# KiCad board keanu-homeboy-panel.kicad_pcb
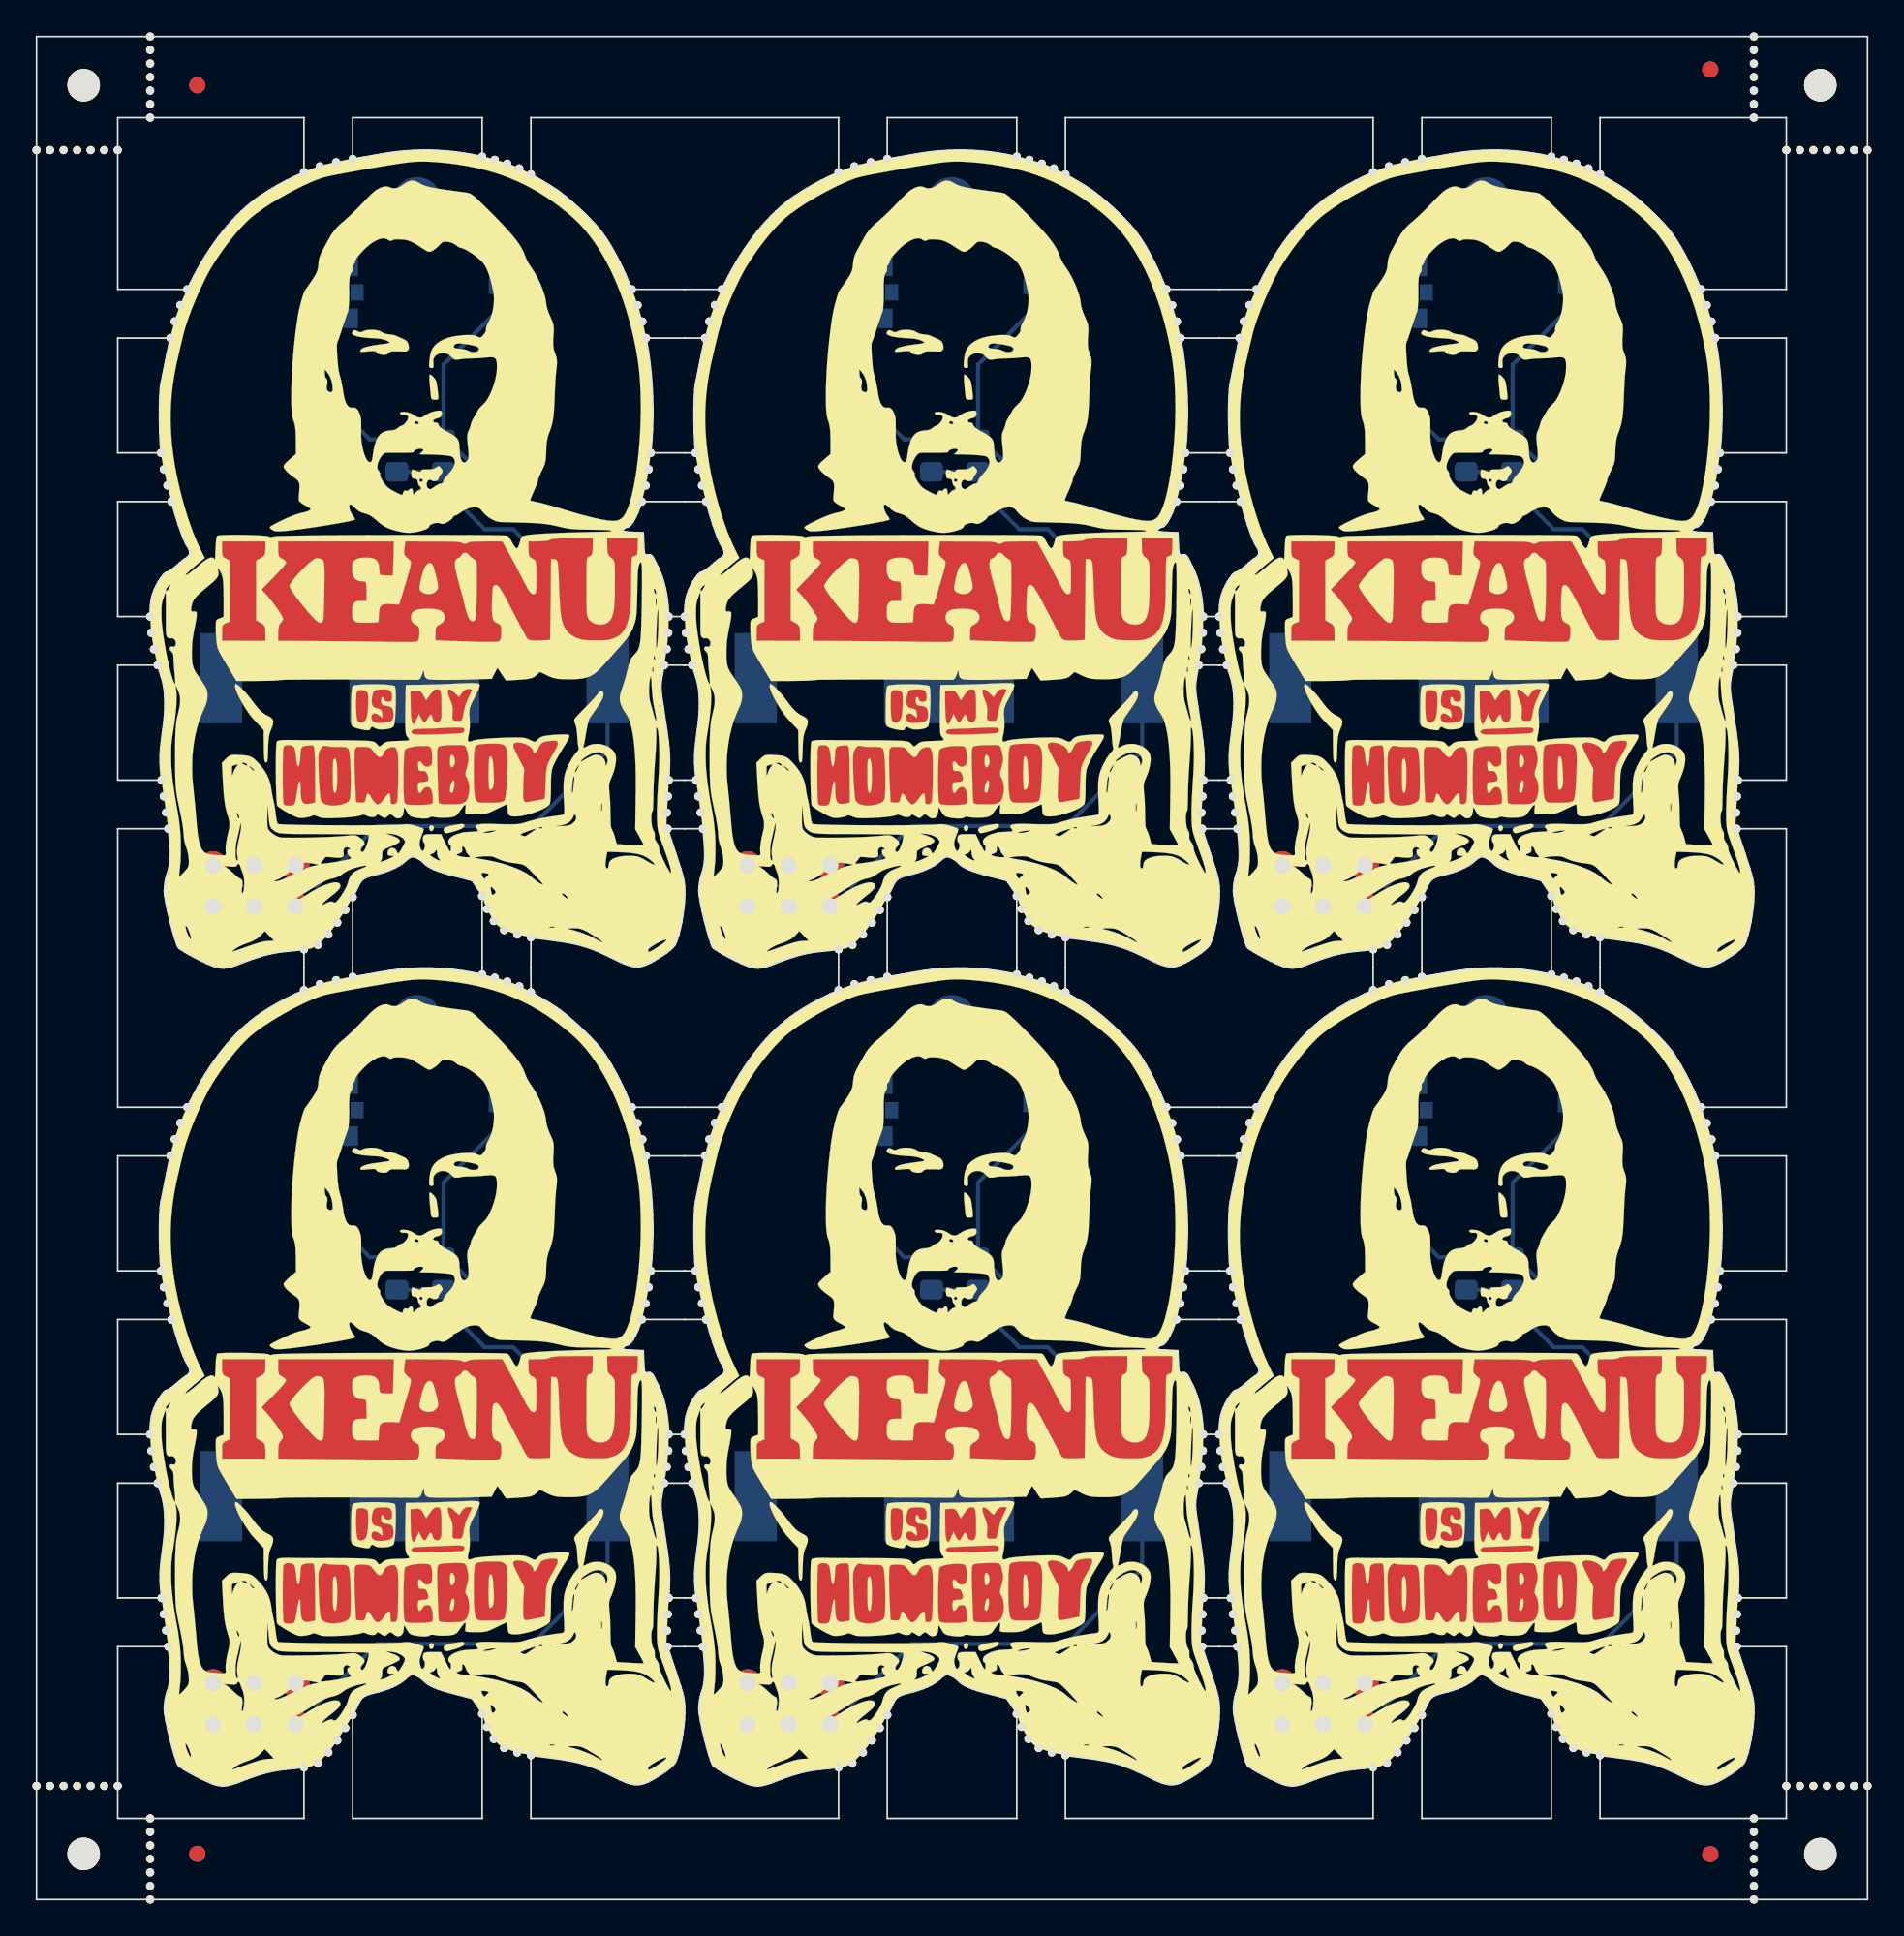
[diagram p0: board, top side]
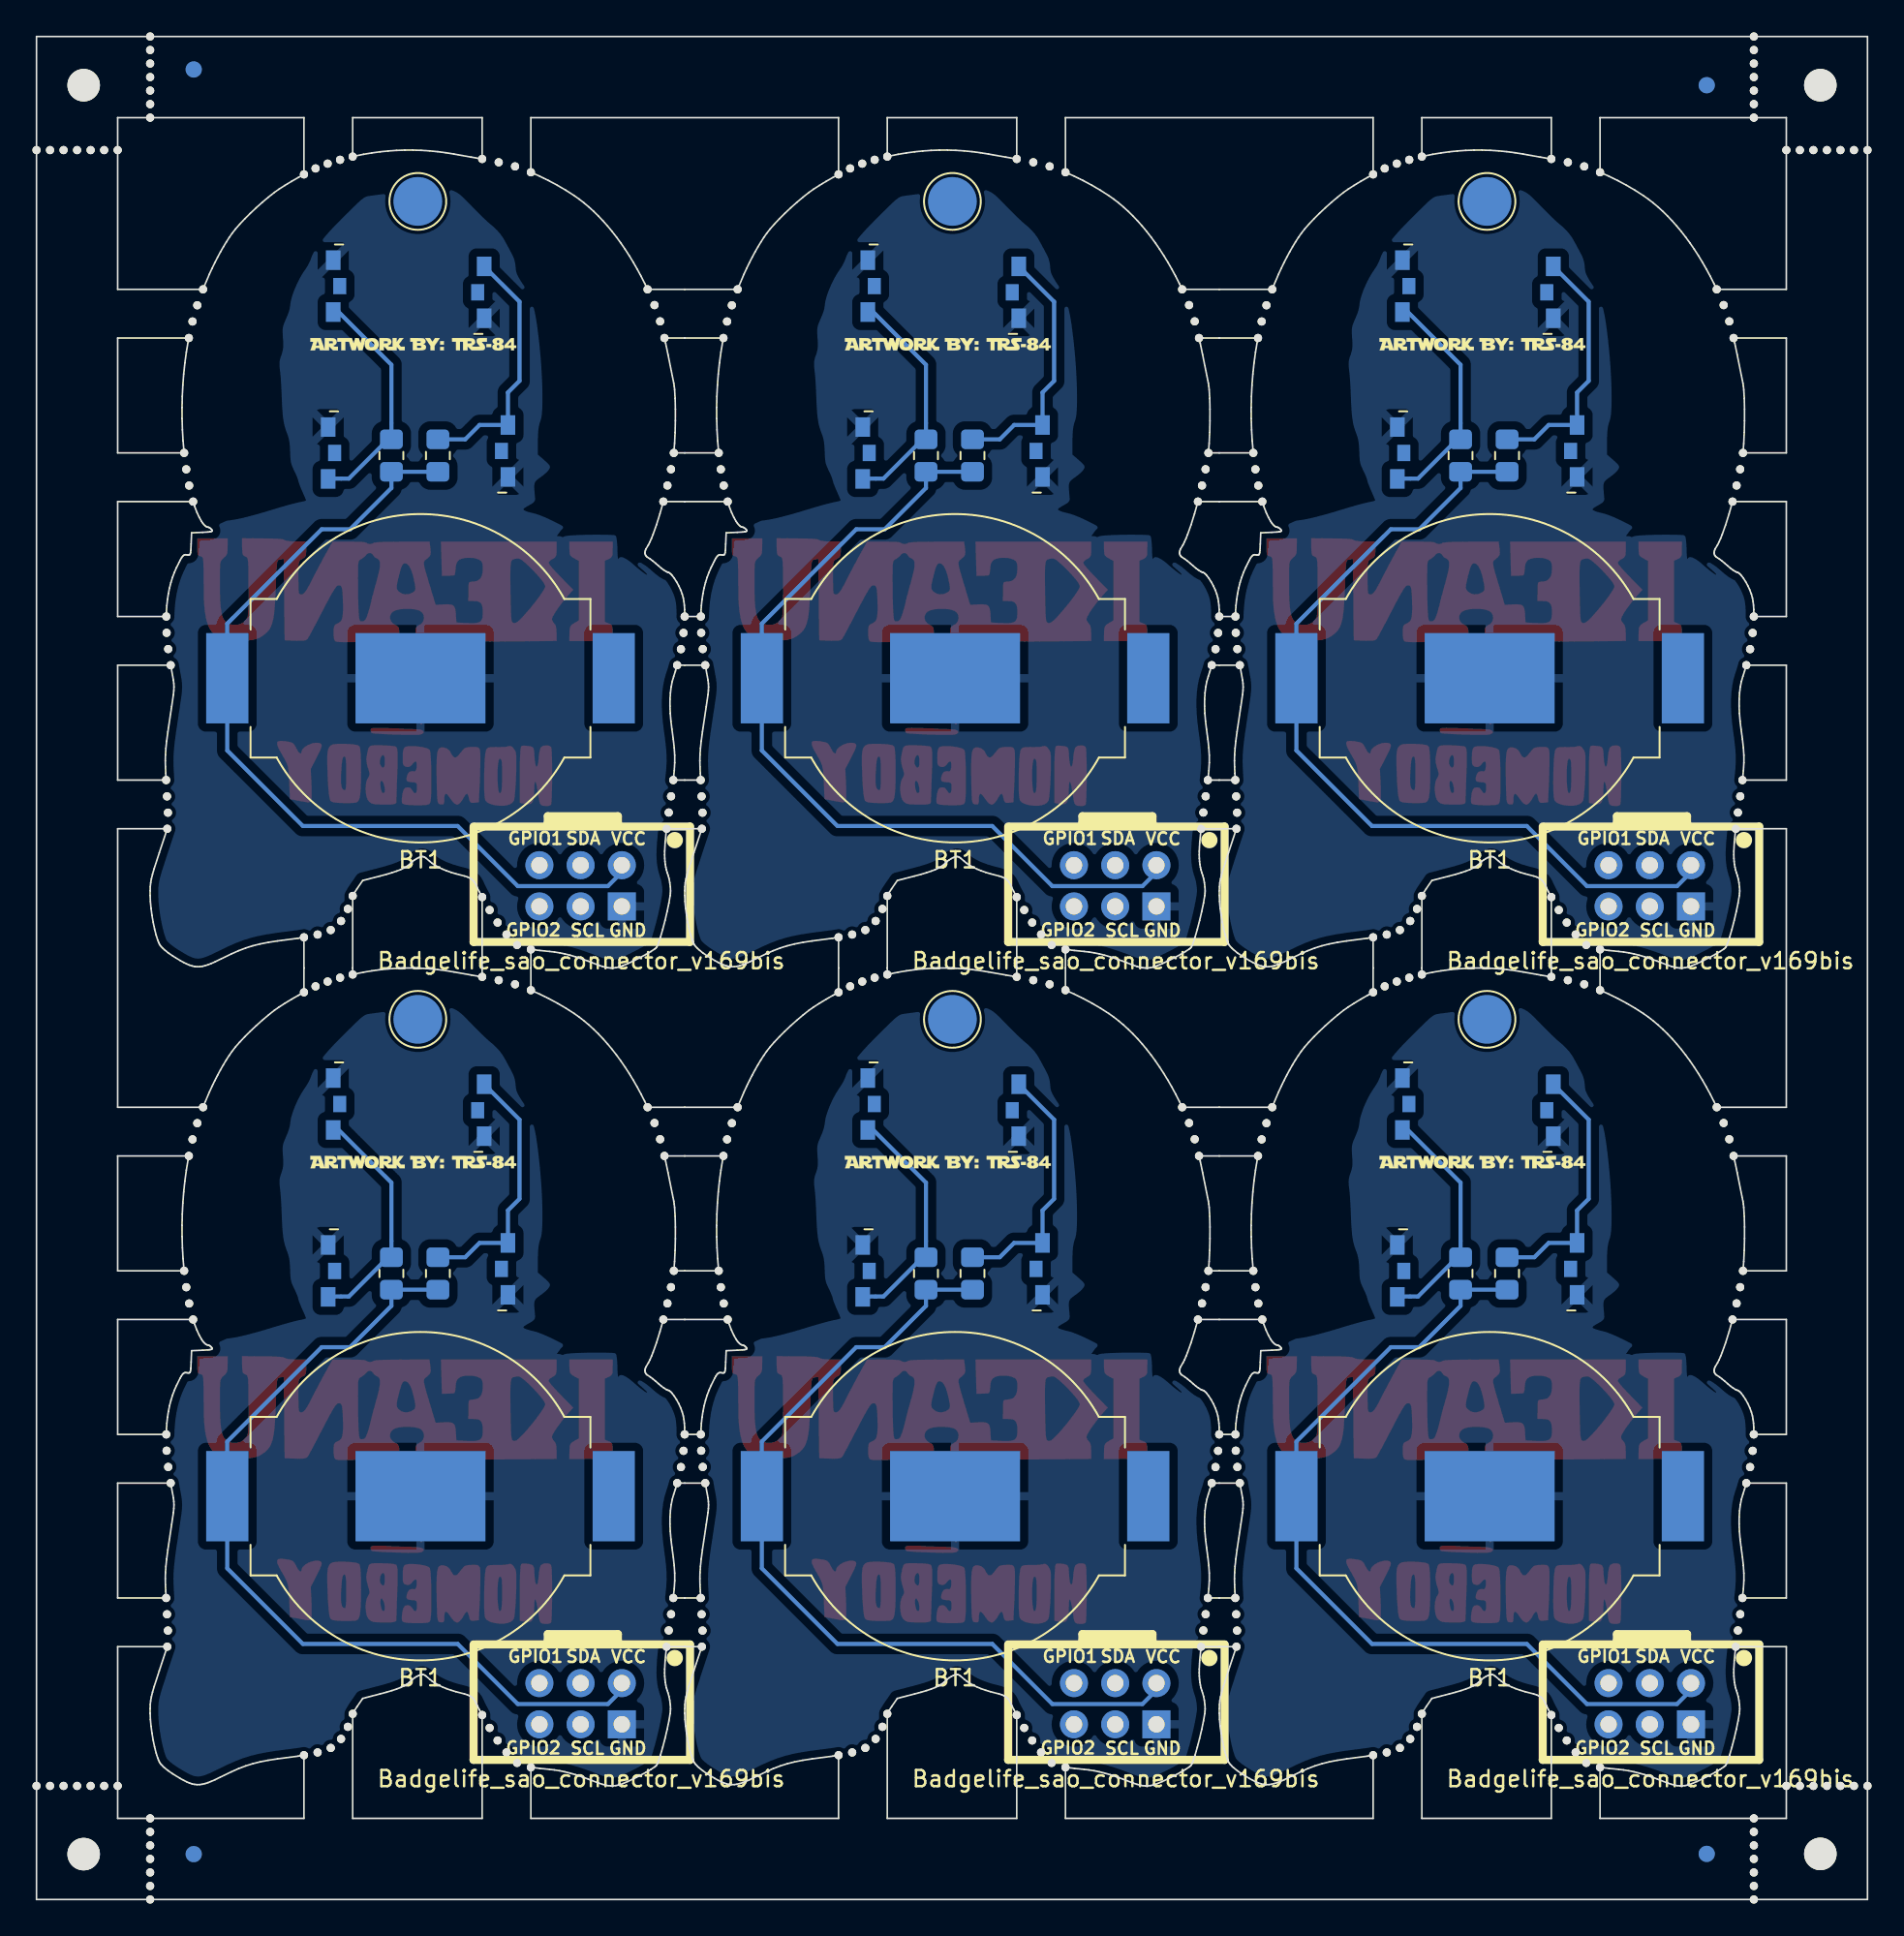
[diagram p1: board, bottom side, seen from below]

Outline 112.81 x 114.81 mm; copper layers: Top, Bottom. Coordinates in mm from the lower left corner of the outline.
Stack: Top 0.035mm / dielectric 1.51mm FR4 er 4.5 / Bottom 0.035mm

## Placement (name value [footprint] x y rotation side)
BT1  Battery_Cell  [BatteryHolder_MPD_BC2003_1x2032]  23.28 24.86 0 bottom
BT1#2  Battery_Cell  [BatteryHolder_MPD_BC2003_1x2032]  56.22 75.26 0 bottom
BT1#3  Battery_Cell  [BatteryHolder_MPD_BC2003_1x2032]  23.28 75.26 0 bottom
BT1#4  Battery_Cell  [BatteryHolder_MPD_BC2003_1x2032]  56.22 24.86 0 bottom
BT1#5  Battery_Cell  [BatteryHolder_MPD_BC2003_1x2032]  89.15 24.86 0 bottom
BT1#6  Battery_Cell  [BatteryHolder_MPD_BC2003_1x2032]  89.15 75.26 0 bottom
D1  LED  [QBLP615]  80.76 38.86 270 bottom
D1#2  LED  [QBLP615]  47.83 89.27 270 bottom
D1#3  LED  [QBLP615]  14.89 38.86 270 bottom
D1#4  LED  [QBLP615]  80.76 89.27 270 bottom
D1#5  LED  [QBLP615]  47.83 38.86 270 bottom
D1#6  LED  [QBLP615]  14.89 89.27 270 bottom
D2  LED  [QBLP615]  49.29 48.64 270 bottom
D2#2  LED  [QBLP615]  16.36 99.04 270 bottom
D2#3  LED  [QBLP615]  82.23 99.04 270 bottom
D2#4  LED  [QBLP615]  49.29 99.04 270 bottom
D2#5  LED  [QBLP615]  82.23 48.64 270 bottom
D2#6  LED  [QBLP615]  16.36 48.64 270 bottom
D3  LED  [QBLP615]  97.53 99.43 90 bottom
D3#2  LED  [QBLP615]  31.66 49.02 90 bottom
D3#3  LED  [QBLP615]  97.53 49.02 90 bottom
D3#4  LED  [QBLP615]  64.59 99.43 90 bottom
D3#5  LED  [QBLP615]  64.59 49.02 90 bottom
D3#6  LED  [QBLP615]  31.66 99.43 90 bottom
D4  LED  [QBLP615]  31.97 38.74 90 bottom
D4#2  LED  [QBLP615]  97.84 38.74 90 bottom
D4#3  LED  [QBLP615]  97.84 89.14 90 bottom
D4#4  LED  [QBLP615]  64.91 38.74 90 bottom
D4#5  LED  [QBLP615]  31.97 89.14 90 bottom
D4#6  LED  [QBLP615]  64.91 89.14 90 bottom
G***  -  [LOGO]  28.1 27.18 0 top
G***#2  -  [LOGO]  93.97 77.58 0 top
G***#3  -  [LOGO]  28.1 77.58 0 top
G***#4  -  [LOGO]  61.04 27.18 0 top
G***#5  -  [LOGO]  61.04 77.58 0 top
G***#6  -  [LOGO]  93.97 77.58 0 top
G***#7  -  [LOGO]  93.97 27.18 0 top
G***#8  -  [LOGO]  28.1 27.18 0 top
G***#9  -  [LOGO]  61.04 27.18 0 top
G***#10  -  [LOGO]  93.97 77.58 0 top
G***#11  -  [LOGO]  93.97 27.18 0 top
G***#12  -  [LOGO]  93.97 27.18 0 top
G***#13  -  [LOGO]  28.1 27.18 0 top
G***#14  -  [LOGO]  28.1 77.58 0 top
G***#15  -  [LOGO]  28.1 77.58 0 top
G***#16  -  [LOGO]  61.04 27.18 0 top
G***#17  -  [LOGO]  61.04 77.58 0 top
G***#18  -  [LOGO]  28.1 77.58 0 top
G***#19  -  [LOGO]  93.97 77.58 0 top
G***#20  -  [LOGO]  93.97 27.18 0 top
G***#21  -  [LOGO]  61.04 27.18 0 top
G***#22  -  [LOGO]  93.97 27.18 0 top
G***#23  -  [LOGO]  93.97 77.58 0 top
G***#24  -  [LOGO]  61.04 77.58 0 top
G***#25  -  [LOGO]  28.1 77.58 0 top
G***#26  -  [LOGO]  61.04 27.18 0 top
G***#27  -  [LOGO]  61.04 77.58 0 top
G***#28  -  [LOGO]  28.1 27.18 0 top
G***#29  -  [LOGO]  93.97 77.58 0 top
G***#30  -  [LOGO]  61.04 77.58 0 top
G***#31  -  [LOGO]  61.04 77.58 0 top
G***#32  -  [LOGO]  28.1 77.58 0 top
G***#33  -  [LOGO]  61.04 27.18 0 top
G***#34  -  [LOGO]  28.1 27.18 0 top
G***#35  -  [LOGO]  28.1 27.18 0 top
G***#36  -  [LOGO]  93.97 27.18 0 top
KiKit_FID_B_1  -  [Fiducial]  9.9 111.81 0 bottom
KiKit_FID_B_2  -  [Fiducial]  103.12 112.78 0 bottom
KiKit_FID_B_3  -  [Fiducial]  9.9 2.81 0 bottom
KiKit_FID_B_4  -  [Fiducial]  103.12 2.8 0 bottom
KiKit_FID_T_1  -  [Fiducial]  9.9 111.81 0 top
KiKit_FID_T_2  -  [Fiducial]  103.12 112.78 0 top
KiKit_FID_T_3  -  [Fiducial]  9.9 2.81 0 top
KiKit_FID_T_4  -  [Fiducial]  103.12 2.8 0 top
KiKit_MB_1_1  -  [NPTH]  8.25 96.23 0 top
KiKit_MB_1_2  -  [NPTH]  8.52 97.26 0 top
KiKit_MB_1_3  -  [NPTH]  8.86 98.26 0 top
KiKit_MB_1_4  -  [NPTH]  9.29 99.23 0 top
KiKit_MB_2_1  -  [NPTH]  8.32 86.15 0 top
KiKit_MB_2_2  -  [NPTH]  8.07 87.14 0 top
KiKit_MB_2_3  -  [NPTH]  7.84 88.14 0 top
KiKit_MB_2_4  -  [NPTH]  7.67 89.15 0 top
KiKit_MB_3_1  -  [NPTH]  7.47 76.07 0 top
KiKit_MB_3_2  -  [NPTH]  7.23 77.05 0 top
KiKit_MB_3_3  -  [NPTH]  7.07 78.06 0 top
KiKit_MB_3_4  -  [NPTH]  7 79.07 0 top
KiKit_MB_4_1  -  [NPTH]  8.12 65.99 0 top
KiKit_MB_4_2  -  [NPTH]  7.98 66.99 0 top
KiKit_MB_4_3  -  [NPTH]  7.84 67.99 0 top
KiKit_MB_4_4  -  [NPTH]  7.7 68.99 0 top
KiKit_MB_5_1  -  [NPTH]  36.68 99.23 0 top
KiKit_MB_5_2  -  [NPTH]  37.03 98.25 0 top
KiKit_MB_5_3  -  [NPTH]  37.33 97.25 0 top
KiKit_MB_5_4  -  [NPTH]  37.55 96.23 0 top
KiKit_MB_6_1  -  [NPTH]  37.84 89.15 0 top
KiKit_MB_6_2  -  [NPTH]  37.71 88.14 0 top
KiKit_MB_6_3  -  [NPTH]  37.53 87.14 0 top
KiKit_MB_6_4  -  [NPTH]  37.29 86.15 0 top
KiKit_MB_7_1  -  [NPTH]  38.94 79.07 0 top
KiKit_MB_7_2  -  [NPTH]  38.92 78.06 0 top
KiKit_MB_7_3  -  [NPTH]  38.82 77.06 0 top
KiKit_MB_7_4  -  [NPTH]  38.67 76.07 0 top
KiKit_MB_8_1  -  [NPTH]  38.95 68.99 0 top
KiKit_MB_8_2  -  [NPTH]  38.9 67.98 0 top
KiKit_MB_8_3  -  [NPTH]  38.84 66.98 0 top
KiKit_MB_8_4  -  [NPTH]  38.88 65.99 0 top
KiKit_MB_9_1  -  [NPTH]  16.48 106.44 0 top
KiKit_MB_9_2  -  [NPTH]  17.45 106.81 0 top
KiKit_MB_9_3  -  [NPTH]  18.46 107.06 0 top
KiKit_MB_9_4  -  [NPTH]  19.48 107.26 0 top
KiKit_MB_10_1  -  [NPTH]  27.46 107.41 0 top
KiKit_MB_10_2  -  [NPTH]  28.23 107.21 0 top
KiKit_MB_10_3  -  [NPTH]  29 106.98 0 top
KiKit_MB_10_4  -  [NPTH]  29.74 106.68 0 top
KiKit_MB_10_5  -  [NPTH]  30.46 106.31 0 top
KiKit_MB_11_1  -  [NPTH]  19.48 61.78 0 top
KiKit_MB_11_2  -  [NPTH]  19.02 60.98 0 top
KiKit_MB_11_3  -  [NPTH]  18.53 60.21 0 top
KiKit_MB_11_4  -  [NPTH]  17.98 59.47 0 top
KiKit_MB_11_5  -  [NPTH]  17.33 58.83 0 top
KiKit_MB_11_6  -  [NPTH]  16.48 58.55 0 top
KiKit_MB_12_1  -  [NPTH]  30.46 59.3 0 top
KiKit_MB_12_2  -  [NPTH]  29.62 59.47 0 top
KiKit_MB_12_3  -  [NPTH]  28.81 59.74 0 top
KiKit_MB_12_4  -  [NPTH]  28.17 60.3 0 top
KiKit_MB_12_5  -  [NPTH]  27.76 61.05 0 top
KiKit_MB_12_6  -  [NPTH]  27.46 61.85 0 top
KiKit_MB_13_1  -  [NPTH]  41.19 96.23 0 top
KiKit_MB_13_2  -  [NPTH]  41.45 97.26 0 top
KiKit_MB_13_3  -  [NPTH]  41.8 98.26 0 top
KiKit_MB_13_4  -  [NPTH]  42.23 99.23 0 top
KiKit_MB_14_1  -  [NPTH]  41.25 86.15 0 top
KiKit_MB_14_2  -  [NPTH]  41 87.14 0 top
KiKit_MB_14_3  -  [NPTH]  40.78 88.14 0 top
KiKit_MB_14_4  -  [NPTH]  40.61 89.15 0 top
KiKit_MB_15_1  -  [NPTH]  40.4 76.07 0 top
KiKit_MB_15_2  -  [NPTH]  40.17 77.05 0 top
KiKit_MB_15_3  -  [NPTH]  40.01 78.06 0 top
KiKit_MB_15_4  -  [NPTH]  39.94 79.07 0 top
KiKit_MB_16_1  -  [NPTH]  41.05 65.99 0 top
KiKit_MB_16_2  -  [NPTH]  40.92 66.99 0 top
KiKit_MB_16_3  -  [NPTH]  40.78 67.99 0 top
KiKit_MB_16_4  -  [NPTH]  40.64 68.99 0 top
KiKit_MB_17_1  -  [NPTH]  69.61 99.23 0 top
KiKit_MB_17_2  -  [NPTH]  69.97 98.25 0 top
KiKit_MB_17_3  -  [NPTH]  70.26 97.25 0 top
KiKit_MB_17_4  -  [NPTH]  70.49 96.23 0 top
KiKit_MB_18_1  -  [NPTH]  70.78 89.15 0 top
KiKit_MB_18_2  -  [NPTH]  70.65 88.14 0 top
KiKit_MB_18_3  -  [NPTH]  70.47 87.14 0 top
KiKit_MB_18_4  -  [NPTH]  70.22 86.15 0 top
KiKit_MB_19_1  -  [NPTH]  71.88 79.07 0 top
KiKit_MB_19_2  -  [NPTH]  71.86 78.06 0 top
KiKit_MB_19_3  -  [NPTH]  71.76 77.06 0 top
KiKit_MB_19_4  -  [NPTH]  71.61 76.07 0 top
KiKit_MB_20_1  -  [NPTH]  71.89 68.99 0 top
KiKit_MB_20_2  -  [NPTH]  71.83 67.98 0 top
KiKit_MB_20_3  -  [NPTH]  71.78 66.98 0 top
KiKit_MB_20_4  -  [NPTH]  71.82 65.99 0 top
KiKit_MB_21_1  -  [NPTH]  49.42 106.44 0 top
KiKit_MB_21_2  -  [NPTH]  50.39 106.81 0 top
KiKit_MB_21_3  -  [NPTH]  51.4 107.06 0 top
KiKit_MB_21_4  -  [NPTH]  52.42 107.26 0 top
KiKit_MB_22_1  -  [NPTH]  60.39 107.41 0 top
KiKit_MB_22_2  -  [NPTH]  61.17 107.21 0 top
KiKit_MB_22_3  -  [NPTH]  61.94 106.98 0 top
KiKit_MB_22_4  -  [NPTH]  62.68 106.68 0 top
KiKit_MB_22_5  -  [NPTH]  63.39 106.31 0 top
KiKit_MB_23_1  -  [NPTH]  52.42 61.78 0 top
KiKit_MB_23_2  -  [NPTH]  51.96 60.98 0 top
KiKit_MB_23_3  -  [NPTH]  51.46 60.21 0 top
KiKit_MB_23_4  -  [NPTH]  50.92 59.47 0 top
KiKit_MB_23_5  -  [NPTH]  50.27 58.83 0 top
KiKit_MB_23_6  -  [NPTH]  49.42 58.55 0 top
KiKit_MB_24_1  -  [NPTH]  63.39 59.3 0 top
KiKit_MB_24_2  -  [NPTH]  62.55 59.47 0 top
KiKit_MB_24_3  -  [NPTH]  61.75 59.74 0 top
KiKit_MB_24_4  -  [NPTH]  61.11 60.3 0 top
KiKit_MB_24_5  -  [NPTH]  60.69 61.05 0 top
KiKit_MB_24_6  -  [NPTH]  60.39 61.85 0 top
KiKit_MB_25_1  -  [NPTH]  74.12 96.23 0 top
KiKit_MB_25_2  -  [NPTH]  74.39 97.26 0 top
KiKit_MB_25_3  -  [NPTH]  74.74 98.26 0 top
KiKit_MB_25_4  -  [NPTH]  75.16 99.23 0 top
KiKit_MB_26_1  -  [NPTH]  74.19 86.15 0 top
KiKit_MB_26_2  -  [NPTH]  73.94 87.14 0 top
KiKit_MB_26_3  -  [NPTH]  73.72 88.14 0 top
KiKit_MB_26_4  -  [NPTH]  73.54 89.15 0 top
KiKit_MB_27_1  -  [NPTH]  73.34 76.07 0 top
KiKit_MB_27_2  -  [NPTH]  73.11 77.05 0 top
KiKit_MB_27_3  -  [NPTH]  72.95 78.06 0 top
KiKit_MB_27_4  -  [NPTH]  72.88 79.07 0 top
KiKit_MB_28_1  -  [NPTH]  73.99 65.99 0 top
KiKit_MB_28_2  -  [NPTH]  73.86 66.99 0 top
KiKit_MB_28_3  -  [NPTH]  73.71 67.99 0 top
KiKit_MB_28_4  -  [NPTH]  73.58 68.99 0 top
KiKit_MB_29_1  -  [NPTH]  102.55 99.23 0 top
KiKit_MB_29_2  -  [NPTH]  102.9 98.25 0 top
KiKit_MB_29_3  -  [NPTH]  103.2 97.25 0 top
KiKit_MB_29_4  -  [NPTH]  103.42 96.23 0 top
KiKit_MB_30_1  -  [NPTH]  103.71 89.15 0 top
KiKit_MB_30_2  -  [NPTH]  103.58 88.14 0 top
KiKit_MB_30_3  -  [NPTH]  103.4 87.14 0 top
KiKit_MB_30_4  -  [NPTH]  103.16 86.15 0 top
KiKit_MB_31_1  -  [NPTH]  104.82 79.07 0 top
KiKit_MB_31_2  -  [NPTH]  104.79 78.06 0 top
KiKit_MB_31_3  -  [NPTH]  104.7 77.06 0 top
KiKit_MB_31_4  -  [NPTH]  104.54 76.07 0 top
KiKit_MB_32_1  -  [NPTH]  104.82 68.99 0 top
KiKit_MB_32_2  -  [NPTH]  104.77 67.98 0 top
KiKit_MB_32_3  -  [NPTH]  104.71 66.98 0 top
KiKit_MB_32_4  -  [NPTH]  104.75 65.99 0 top
KiKit_MB_33_1  -  [NPTH]  82.35 106.44 0 top
KiKit_MB_33_2  -  [NPTH]  83.33 106.81 0 top
KiKit_MB_33_3  -  [NPTH]  84.33 107.06 0 top
KiKit_MB_33_4  -  [NPTH]  85.35 107.26 0 top
KiKit_MB_34_1  -  [NPTH]  93.33 107.41 0 top
KiKit_MB_34_2  -  [NPTH]  94.11 107.21 0 top
KiKit_MB_34_3  -  [NPTH]  94.87 106.98 0 top
KiKit_MB_34_4  -  [NPTH]  95.62 106.68 0 top
KiKit_MB_34_5  -  [NPTH]  96.33 106.31 0 top
KiKit_MB_35_1  -  [NPTH]  85.35 61.78 0 top
KiKit_MB_35_2  -  [NPTH]  84.89 60.98 0 top
KiKit_MB_35_3  -  [NPTH]  84.4 60.21 0 top
KiKit_MB_35_4  -  [NPTH]  83.85 59.47 0 top
KiKit_MB_35_5  -  [NPTH]  83.2 58.83 0 top
KiKit_MB_35_6  -  [NPTH]  82.35 58.55 0 top
KiKit_MB_36_1  -  [NPTH]  96.33 59.3 0 top
KiKit_MB_36_2  -  [NPTH]  95.49 59.47 0 top
KiKit_MB_36_3  -  [NPTH]  94.68 59.74 0 top
KiKit_MB_36_4  -  [NPTH]  94.05 60.3 0 top
KiKit_MB_36_5  -  [NPTH]  93.63 61.05 0 top
KiKit_MB_36_6  -  [NPTH]  93.33 61.85 0 top
KiKit_MB_37_1  -  [NPTH]  8.25 45.82 0 top
KiKit_MB_37_2  -  [NPTH]  8.52 46.85 0 top
KiKit_MB_37_3  -  [NPTH]  8.86 47.85 0 top
KiKit_MB_37_4  -  [NPTH]  9.29 48.82 0 top
KiKit_MB_38_1  -  [NPTH]  8.32 35.74 0 top
KiKit_MB_38_2  -  [NPTH]  8.07 36.74 0 top
KiKit_MB_38_3  -  [NPTH]  7.84 37.74 0 top
KiKit_MB_38_4  -  [NPTH]  7.67 38.74 0 top
KiKit_MB_39_1  -  [NPTH]  7.47 25.66 0 top
KiKit_MB_39_2  -  [NPTH]  7.23 26.65 0 top
KiKit_MB_39_3  -  [NPTH]  7.07 27.65 0 top
KiKit_MB_39_4  -  [NPTH]  7 28.66 0 top
KiKit_MB_40_1  -  [NPTH]  8.12 15.58 0 top
KiKit_MB_40_2  -  [NPTH]  7.98 16.58 0 top
KiKit_MB_40_3  -  [NPTH]  7.84 17.58 0 top
KiKit_MB_40_4  -  [NPTH]  7.7 18.58 0 top
KiKit_MB_41_1  -  [NPTH]  36.68 48.82 0 top
KiKit_MB_41_2  -  [NPTH]  37.03 47.84 0 top
KiKit_MB_41_3  -  [NPTH]  37.33 46.84 0 top
KiKit_MB_41_4  -  [NPTH]  37.55 45.82 0 top
KiKit_MB_42_1  -  [NPTH]  37.84 38.74 0 top
KiKit_MB_42_2  -  [NPTH]  37.71 37.73 0 top
KiKit_MB_42_3  -  [NPTH]  37.53 36.73 0 top
KiKit_MB_42_4  -  [NPTH]  37.29 35.74 0 top
KiKit_MB_43_1  -  [NPTH]  38.94 28.66 0 top
KiKit_MB_43_2  -  [NPTH]  38.92 27.66 0 top
KiKit_MB_43_3  -  [NPTH]  38.82 26.66 0 top
KiKit_MB_43_4  -  [NPTH]  38.67 25.66 0 top
KiKit_MB_44_1  -  [NPTH]  38.95 18.58 0 top
KiKit_MB_44_2  -  [NPTH]  38.9 17.58 0 top
KiKit_MB_44_3  -  [NPTH]  38.84 16.57 0 top
KiKit_MB_44_4  -  [NPTH]  38.88 15.58 0 top
KiKit_MB_45_1  -  [NPTH]  16.48 56.04 0 top
KiKit_MB_45_2  -  [NPTH]  17.45 56.4 0 top
KiKit_MB_45_3  -  [NPTH]  18.46 56.65 0 top
KiKit_MB_45_4  -  [NPTH]  19.48 56.86 0 top
KiKit_MB_46_1  -  [NPTH]  27.46 57 0 top
KiKit_MB_46_2  -  [NPTH]  28.23 56.81 0 top
KiKit_MB_46_3  -  [NPTH]  29 56.57 0 top
KiKit_MB_46_4  -  [NPTH]  29.74 56.27 0 top
KiKit_MB_46_5  -  [NPTH]  30.46 55.91 0 top
KiKit_MB_47_1  -  [NPTH]  19.48 11.37 0 top
KiKit_MB_47_2  -  [NPTH]  19.02 10.58 0 top
KiKit_MB_47_3  -  [NPTH]  18.53 9.8 0 top
KiKit_MB_47_4  -  [NPTH]  17.98 9.07 0 top
KiKit_MB_47_5  -  [NPTH]  17.33 8.42 0 top
KiKit_MB_47_6  -  [NPTH]  16.48 8.15 0 top
KiKit_MB_48_1  -  [NPTH]  30.46 8.89 0 top
KiKit_MB_48_2  -  [NPTH]  29.62 9.06 0 top
KiKit_MB_48_3  -  [NPTH]  28.81 9.34 0 top
KiKit_MB_48_4  -  [NPTH]  28.17 9.9 0 top
KiKit_MB_48_5  -  [NPTH]  27.76 10.64 0 top
KiKit_MB_48_6  -  [NPTH]  27.46 11.44 0 top
KiKit_MB_49_1  -  [NPTH]  41.19 45.82 0 top
KiKit_MB_49_2  -  [NPTH]  41.45 46.85 0 top
KiKit_MB_49_3  -  [NPTH]  41.8 47.85 0 top
KiKit_MB_49_4  -  [NPTH]  42.23 48.82 0 top
KiKit_MB_50_1  -  [NPTH]  41.25 35.74 0 top
KiKit_MB_50_2  -  [NPTH]  41 36.74 0 top
KiKit_MB_50_3  -  [NPTH]  40.78 37.74 0 top
KiKit_MB_50_4  -  [NPTH]  40.61 38.74 0 top
KiKit_MB_51_1  -  [NPTH]  40.4 25.66 0 top
KiKit_MB_51_2  -  [NPTH]  40.17 26.65 0 top
KiKit_MB_51_3  -  [NPTH]  40.01 27.65 0 top
KiKit_MB_51_4  -  [NPTH]  39.94 28.66 0 top
KiKit_MB_52_1  -  [NPTH]  41.05 15.58 0 top
KiKit_MB_52_2  -  [NPTH]  40.92 16.58 0 top
KiKit_MB_52_3  -  [NPTH]  40.78 17.58 0 top
KiKit_MB_52_4  -  [NPTH]  40.64 18.58 0 top
KiKit_MB_53_1  -  [NPTH]  69.61 48.82 0 top
KiKit_MB_53_2  -  [NPTH]  69.97 47.84 0 top
KiKit_MB_53_3  -  [NPTH]  70.26 46.84 0 top
KiKit_MB_53_4  -  [NPTH]  70.49 45.82 0 top
KiKit_MB_54_1  -  [NPTH]  70.78 38.74 0 top
KiKit_MB_54_2  -  [NPTH]  70.65 37.73 0 top
KiKit_MB_54_3  -  [NPTH]  70.47 36.73 0 top
KiKit_MB_54_4  -  [NPTH]  70.22 35.74 0 top
KiKit_MB_55_1  -  [NPTH]  71.88 28.66 0 top
KiKit_MB_55_2  -  [NPTH]  71.86 27.66 0 top
KiKit_MB_55_3  -  [NPTH]  71.76 26.66 0 top
KiKit_MB_55_4  -  [NPTH]  71.61 25.66 0 top
KiKit_MB_56_1  -  [NPTH]  71.89 18.58 0 top
KiKit_MB_56_2  -  [NPTH]  71.83 17.58 0 top
KiKit_MB_56_3  -  [NPTH]  71.78 16.57 0 top
KiKit_MB_56_4  -  [NPTH]  71.82 15.58 0 top
KiKit_MB_57_1  -  [NPTH]  49.42 56.04 0 top
KiKit_MB_57_2  -  [NPTH]  50.39 56.4 0 top
KiKit_MB_57_3  -  [NPTH]  51.4 56.65 0 top
KiKit_MB_57_4  -  [NPTH]  52.42 56.86 0 top
KiKit_MB_58_1  -  [NPTH]  60.39 57 0 top
KiKit_MB_58_2  -  [NPTH]  61.17 56.81 0 top
KiKit_MB_58_3  -  [NPTH]  61.94 56.57 0 top
KiKit_MB_58_4  -  [NPTH]  62.68 56.27 0 top
KiKit_MB_58_5  -  [NPTH]  63.39 55.91 0 top
KiKit_MB_59_1  -  [NPTH]  52.42 11.37 0 top
KiKit_MB_59_2  -  [NPTH]  51.96 10.58 0 top
KiKit_MB_59_3  -  [NPTH]  51.46 9.8 0 top
KiKit_MB_59_4  -  [NPTH]  50.92 9.07 0 top
KiKit_MB_59_5  -  [NPTH]  50.27 8.42 0 top
KiKit_MB_59_6  -  [NPTH]  49.42 8.15 0 top
KiKit_MB_60_1  -  [NPTH]  63.39 8.89 0 top
KiKit_MB_60_2  -  [NPTH]  62.55 9.06 0 top
KiKit_MB_60_3  -  [NPTH]  61.75 9.34 0 top
KiKit_MB_60_4  -  [NPTH]  61.11 9.9 0 top
KiKit_MB_60_5  -  [NPTH]  60.69 10.64 0 top
KiKit_MB_60_6  -  [NPTH]  60.39 11.44 0 top
KiKit_MB_61_1  -  [NPTH]  74.12 45.82 0 top
KiKit_MB_61_2  -  [NPTH]  74.39 46.85 0 top
KiKit_MB_61_3  -  [NPTH]  74.74 47.85 0 top
KiKit_MB_61_4  -  [NPTH]  75.16 48.82 0 top
KiKit_MB_62_1  -  [NPTH]  74.19 35.74 0 top
KiKit_MB_62_2  -  [NPTH]  73.94 36.74 0 top
KiKit_MB_62_3  -  [NPTH]  73.72 37.74 0 top
KiKit_MB_62_4  -  [NPTH]  73.54 38.74 0 top
KiKit_MB_63_1  -  [NPTH]  73.34 25.66 0 top
KiKit_MB_63_2  -  [NPTH]  73.11 26.65 0 top
KiKit_MB_63_3  -  [NPTH]  72.95 27.65 0 top
KiKit_MB_63_4  -  [NPTH]  72.88 28.66 0 top
KiKit_MB_64_1  -  [NPTH]  73.99 15.58 0 top
KiKit_MB_64_2  -  [NPTH]  73.86 16.58 0 top
KiKit_MB_64_3  -  [NPTH]  73.71 17.58 0 top
KiKit_MB_64_4  -  [NPTH]  73.58 18.58 0 top
KiKit_MB_65_1  -  [NPTH]  102.55 48.82 0 top
KiKit_MB_65_2  -  [NPTH]  102.9 47.84 0 top
KiKit_MB_65_3  -  [NPTH]  103.2 46.84 0 top
KiKit_MB_65_4  -  [NPTH]  103.42 45.82 0 top
KiKit_MB_66_1  -  [NPTH]  103.71 38.74 0 top
KiKit_MB_66_2  -  [NPTH]  103.58 37.73 0 top
KiKit_MB_66_3  -  [NPTH]  103.4 36.73 0 top
KiKit_MB_66_4  -  [NPTH]  103.16 35.74 0 top
KiKit_MB_67_1  -  [NPTH]  104.82 28.66 0 top
KiKit_MB_67_2  -  [NPTH]  104.79 27.66 0 top
KiKit_MB_67_3  -  [NPTH]  104.7 26.66 0 top
KiKit_MB_67_4  -  [NPTH]  104.54 25.66 0 top
KiKit_MB_68_1  -  [NPTH]  104.82 18.58 0 top
KiKit_MB_68_2  -  [NPTH]  104.77 17.58 0 top
KiKit_MB_68_3  -  [NPTH]  104.71 16.57 0 top
KiKit_MB_68_4  -  [NPTH]  104.75 15.58 0 top
KiKit_MB_69_1  -  [NPTH]  82.35 56.04 0 top
KiKit_MB_69_2  -  [NPTH]  83.33 56.4 0 top
KiKit_MB_69_3  -  [NPTH]  84.33 56.65 0 top
KiKit_MB_69_4  -  [NPTH]  85.35 56.86 0 top
KiKit_MB_70_1  -  [NPTH]  93.33 57 0 top
KiKit_MB_70_2  -  [NPTH]  94.11 56.81 0 top
KiKit_MB_70_3  -  [NPTH]  94.87 56.57 0 top
KiKit_MB_70_4  -  [NPTH]  95.62 56.27 0 top
KiKit_MB_70_5  -  [NPTH]  96.33 55.91 0 top
KiKit_MB_71_1  -  [NPTH]  85.35 11.37 0 top
KiKit_MB_71_2  -  [NPTH]  84.89 10.58 0 top
KiKit_MB_71_3  -  [NPTH]  84.4 9.8 0 top
KiKit_MB_71_4  -  [NPTH]  83.85 9.07 0 top
KiKit_MB_71_5  -  [NPTH]  83.2 8.42 0 top
KiKit_MB_71_6  -  [NPTH]  82.35 8.15 0 top
KiKit_MB_72_1  -  [NPTH]  96.33 8.89 0 top
KiKit_MB_72_2  -  [NPTH]  95.49 9.06 0 top
KiKit_MB_72_3  -  [NPTH]  94.68 9.34 0 top
KiKit_MB_72_4  -  [NPTH]  94.05 9.9 0 top
KiKit_MB_72_5  -  [NPTH]  93.63 10.64 0 top
KiKit_MB_72_6  -  [NPTH]  93.33 11.44 0 top
KiKit_MB_73_1  -  [NPTH]  7 114.81 0 top
KiKit_MB_73_2  -  [NPTH]  7 113.98 0 top
KiKit_MB_73_3  -  [NPTH]  7 113.14 0 top
KiKit_MB_73_4  -  [NPTH]  7 112.31 0 top
KiKit_MB_73_5  -  [NPTH]  7 111.48 0 top
KiKit_MB_73_6  -  [NPTH]  7 110.64 0 top
KiKit_MB_73_7  -  [NPTH]  7 109.81 0 top
KiKit_MB_74_1  -  [NPTH]  105.81 114.81 0 top
KiKit_MB_74_2  -  [NPTH]  105.81 113.98 0 top
KiKit_MB_74_3  -  [NPTH]  105.81 113.14 0 top
KiKit_MB_74_4  -  [NPTH]  105.81 112.31 0 top
KiKit_MB_74_5  -  [NPTH]  105.81 111.48 0 top
KiKit_MB_74_6  -  [NPTH]  105.81 110.64 0 top
KiKit_MB_74_7  -  [NPTH]  105.81 109.81 0 top
KiKit_MB_75_1  -  [NPTH]  7 5 0 top
KiKit_MB_75_2  -  [NPTH]  7 4.17 0 top
KiKit_MB_75_3  -  [NPTH]  7 3.33 0 top
KiKit_MB_75_4  -  [NPTH]  7 2.5 0 top
KiKit_MB_75_5  -  [NPTH]  7 1.67 0 top
KiKit_MB_75_6  -  [NPTH]  7 0.83 0 top
KiKit_MB_75_7  -  [NPTH]  7 0 0 top
KiKit_MB_76_1  -  [NPTH]  105.81 5 0 top
KiKit_MB_76_2  -  [NPTH]  105.81 4.17 0 top
KiKit_MB_76_3  -  [NPTH]  105.81 3.33 0 top
KiKit_MB_76_4  -  [NPTH]  105.81 2.5 0 top
KiKit_MB_76_5  -  [NPTH]  105.81 1.67 0 top
KiKit_MB_76_6  -  [NPTH]  105.81 0.83 0 top
KiKit_MB_76_7  -  [NPTH]  105.81 0 0 top
KiKit_MB_77_1  -  [NPTH]  0 107.81 0 top
KiKit_MB_77_2  -  [NPTH]  0.83 107.81 0 top
KiKit_MB_77_3  -  [NPTH]  1.67 107.81 0 top
KiKit_MB_77_4  -  [NPTH]  2.5 107.81 0 top
KiKit_MB_77_5  -  [NPTH]  3.33 107.81 0 top
KiKit_MB_77_6  -  [NPTH]  4.17 107.81 0 top
KiKit_MB_77_7  -  [NPTH]  5 107.81 0 top
KiKit_MB_78_1  -  [NPTH]  0 7 0 top
KiKit_MB_78_2  -  [NPTH]  0.83 7 0 top
KiKit_MB_78_3  -  [NPTH]  1.67 7 0 top
KiKit_MB_78_4  -  [NPTH]  2.5 7 0 top
KiKit_MB_78_5  -  [NPTH]  3.33 7 0 top
KiKit_MB_78_6  -  [NPTH]  4.17 7 0 top
KiKit_MB_78_7  -  [NPTH]  5 7 0 top
KiKit_MB_79_1  -  [NPTH]  107.81 107.81 0 top
KiKit_MB_79_2  -  [NPTH]  108.64 107.81 0 top
KiKit_MB_79_3  -  [NPTH]  109.48 107.81 0 top
KiKit_MB_79_4  -  [NPTH]  110.31 107.81 0 top
KiKit_MB_79_5  -  [NPTH]  111.14 107.81 0 top
KiKit_MB_79_6  -  [NPTH]  111.98 107.81 0 top
KiKit_MB_79_7  -  [NPTH]  112.81 107.81 0 top
KiKit_MB_80_1  -  [NPTH]  107.81 7 0 top
KiKit_MB_80_2  -  [NPTH]  108.64 7 0 top
KiKit_MB_80_3  -  [NPTH]  109.48 7 0 top
KiKit_MB_80_4  -  [NPTH]  110.31 7 0 top
KiKit_MB_80_5  -  [NPTH]  111.14 7 0 top
KiKit_MB_80_6  -  [NPTH]  111.98 7 0 top
KiKit_MB_80_7  -  [NPTH]  112.81 7 0 top
KiKit_TO_1  -  [NPTH#2]  2.9 111.81 0 top
KiKit_TO_2  -  [NPTH#2]  109.9 111.81 0 top
KiKit_TO_3  -  [NPTH#2]  2.9 2.81 0 top
KiKit_TO_4  -  [NPTH#2]  109.9 2.8 0 top
NOREF  -  [TestPoint_Pad_D3.0mm]  89.32 54.24 0 bottom
NOREF#2  -  [TestPoint_Pad_D3.0mm]  56.38 54.24 0 bottom
NOREF#3  -  [TestPoint_Pad_D3.0mm]  23.44 54.24 0 bottom
NOREF#4  -  [TestPoint_Pad_D3.0mm]  23.44 104.65 0 bottom
NOREF#5  -  [TestPoint_Pad_D3.0mm]  56.38 104.65 0 bottom
NOREF#6  -  [TestPoint_Pad_D3.0mm]  89.32 104.65 0 bottom
R1  330  [R_0805_2012Metric_Pad1.20x1.40mm_HandSolder]  88.08 88.99 270 bottom
R1#2  330  [R_0805_2012Metric_Pad1.20x1.40mm_HandSolder]  55.14 38.58 270 bottom
R1#3  330  [R_0805_2012Metric_Pad1.20x1.40mm_HandSolder]  22.21 88.99 270 bottom
R1#4  330  [R_0805_2012Metric_Pad1.20x1.40mm_HandSolder]  22.21 38.58 270 bottom
R1#5  330  [R_0805_2012Metric_Pad1.20x1.40mm_HandSolder]  55.14 88.99 270 bottom
R1#6  330  [R_0805_2012Metric_Pad1.20x1.40mm_HandSolder]  88.08 38.58 270 bottom
R2  330  [R_0805_2012Metric_Pad1.20x1.40mm_HandSolder]  90.94 88.99 270 bottom
R2#2  330  [R_0805_2012Metric_Pad1.20x1.40mm_HandSolder]  58.01 88.99 270 bottom
R2#3  330  [R_0805_2012Metric_Pad1.20x1.40mm_HandSolder]  58.01 38.58 270 bottom
R2#4  330  [R_0805_2012Metric_Pad1.20x1.40mm_HandSolder]  25.07 88.99 270 bottom
R2#5  330  [R_0805_2012Metric_Pad1.20x1.40mm_HandSolder]  90.94 38.58 270 bottom
R2#6  330  [R_0805_2012Metric_Pad1.20x1.40mm_HandSolder]  25.07 38.58 270 bottom
X1  Badgelife_sao_connector_v169bis  [Badgelife-SAOv169-SAO_Side_B.SLK]  13.02 62.39 0 top
X1#2  Badgelife_sao_connector_v169bis  [Badgelife-SAOv169-SAO_Side_B.SLK]  78.9 62.39 0 top
X1#3  Badgelife_sao_connector_v169bis  [Badgelife-SAOv169-SAO_Side_B.SLK]  45.96 62.39 0 top
X1#4  Badgelife_sao_connector_v169bis  [Badgelife-SAOv169-SAO_Side_B.SLK]  13.02 11.98 0 top
X1#5  Badgelife_sao_connector_v169bis  [Badgelife-SAOv169-SAO_Side_B.SLK]  45.96 11.98 0 top
X1#6  Badgelife_sao_connector_v169bis  [Badgelife-SAOv169-SAO_Side_B.SLK]  78.9 11.98 0 top

## Library data of the parts
X1 X1#2-X1#6 = -: Datasheet: https://tools.molex.com/pdm_docs/sd/878340619_sd.pdf; MFG: Molex; MPN: 0878340619; Vendor 1: LCSC; Vendor PN 1: C9136; Vendor 2: LCSC; Vendor PN 2: C692422

## Footprints (pads in the part's own frame, mm; a bottom-side part is the same pattern mirrored in y, then rotated)
Badgelife-SAOv169-SAO_Side_B.SLK
  oval 1.727x1.727 hole 1.016: 1(-2.15,1.352) 3(0.39,1.352) 4(0.39,-1.188)
  rect 1.727x1.727 hole 1.016: 2(-2.15,-1.188)
  round 1.727 hole 1.016: 5(2.93,1.352) 6(2.93,-1.188)
BatteryHolder_MPD_BC2003_1x2032
  rect 2.6x5.56 smd: 1(-11.905,0) 1(11.905,0)
  rect 8x5.56 smd: 2(0,0)
Fiducial
  round 1 smd: (0,0)
NPTH
  round 0.5 hole 0.5 unplated: (0,0)
NPTH#2
  round 2 hole 2 unplated: (0,0)
QBLP615
  rect 1.2x0.9 smd: 1(1.6,-3) 2(-1.6,-3)
  rect 1x0.8 smd: MP(0,-3.4)
R_0805_2012Metric_Pad1.20x1.40mm_HandSolder
  rrect 1.2x1.4 smd: 1(-1,0) 2(1,0)
TestPoint_Pad_D3.0mm
  round 3 smd: 1(0,0)

## Nets
Board_0-/VDD: BT1#3.1 R1#3.2 R2#4.2 X1.1
Board_1-/VDD: BT1#2.1 R1#5.2 R2#2.2 X1#3.1
Board_2-/VDD: BT1#6.1 R1.2 R2.2 X1#2.1
Board_3-/VDD: BT1.1 R1#4.2 R2#6.2 X1#4.1
Board_4-/VDD: BT1#4.1 R1#2.2 R2#3.2 X1#5.1
Board_5-/VDD: BT1#5.1 R1#6.2 R2#5.2 X1#6.1
Board_0-GND: BT1#3.2 D1#6.1 D2#2.1 D3#6.1 D4#5.1 X1.2
Board_0-Net-(D1-A): D1#6.2 D2#2.2 R1#3.1
Board_0-Net-(D3-A): D3#6.2 D4#5.2 R2#4.1
Board_0-unconnected-(X1-GPIO1-Pad5): X1.5
Board_0-unconnected-(X1-GPIO2-Pad6): X1.6
Board_0-unconnected-(X1-SCL-Pad4): X1.4
Board_0-unconnected-(X1-SDA-Pad3): X1.3
Board_1-GND: BT1#2.2 D1#2.1 D2#4.1 D3#4.1 D4#6.1 X1#3.2
Board_1-Net-(D1-A): D1#2.2 D2#4.2 R1#5.1
Board_1-Net-(D3-A): D3#4.2 D4#6.2 R2#2.1
Board_1-unconnected-(X1-GPIO1-Pad5): X1#3.5
Board_1-unconnected-(X1-GPIO2-Pad6): X1#3.6
Board_1-unconnected-(X1-SCL-Pad4): X1#3.4
Board_1-unconnected-(X1-SDA-Pad3): X1#3.3
Board_2-GND: BT1#6.2 D1#4.1 D2#3.1 D3.1 D4#3.1 X1#2.2
Board_2-Net-(D1-A): D1#4.2 D2#3.2 R1.1
Board_2-Net-(D3-A): D3.2 D4#3.2 R2.1
Board_2-unconnected-(X1-GPIO1-Pad5): X1#2.5
Board_2-unconnected-(X1-GPIO2-Pad6): X1#2.6
Board_2-unconnected-(X1-SCL-Pad4): X1#2.4
Board_2-unconnected-(X1-SDA-Pad3): X1#2.3
Board_3-GND: BT1.2 D1#3.1 D2#6.1 D3#2.1 D4.1 X1#4.2
Board_3-Net-(D1-A): D1#3.2 D2#6.2 R1#4.1
Board_3-Net-(D3-A): D3#2.2 D4.2 R2#6.1
Board_3-unconnected-(X1-GPIO1-Pad5): X1#4.5
Board_3-unconnected-(X1-GPIO2-Pad6): X1#4.6
Board_3-unconnected-(X1-SCL-Pad4): X1#4.4
Board_3-unconnected-(X1-SDA-Pad3): X1#4.3
Board_4-GND: BT1#4.2 D1#5.1 D2.1 D3#5.1 D4#4.1 X1#5.2
Board_4-Net-(D1-A): D1#5.2 D2.2 R1#2.1
Board_4-Net-(D3-A): D3#5.2 D4#4.2 R2#3.1
Board_4-unconnected-(X1-GPIO1-Pad5): X1#5.5
Board_4-unconnected-(X1-GPIO2-Pad6): X1#5.6
Board_4-unconnected-(X1-SCL-Pad4): X1#5.4
Board_4-unconnected-(X1-SDA-Pad3): X1#5.3
Board_5-GND: BT1#5.2 D1.1 D2#5.1 D3#3.1 D4#2.1 X1#6.2
Board_5-Net-(D1-A): D1.2 D2#5.2 R1#6.1
Board_5-Net-(D3-A): D3#3.2 D4#2.2 R2#5.1
Board_5-unconnected-(X1-GPIO1-Pad5): X1#6.5
Board_5-unconnected-(X1-GPIO2-Pad6): X1#6.6
Board_5-unconnected-(X1-SCL-Pad4): X1#6.4
Board_5-unconnected-(X1-SDA-Pad3): X1#6.3

Pads without a net: D1 MP; D1#2 MP; D1#3 MP; D1#4 MP; D1#5 MP; D1#6 MP; D2 MP; D2#2 MP; D2#3 MP; D2#4 MP; D2#5 MP; D2#6 MP; D3 MP; D3#2 MP; D3#3 MP; D3#4 MP; D3#5 MP; D3#6 MP; D4 MP; D4#2 MP; D4#3 MP; D4#4 MP; D4#5 MP; D4#6 MP; NOREF 1; NOREF#2 1; NOREF#3 1; NOREF#4 1; NOREF#5 1; NOREF#6 1

## Routing (per net, layer and track width the routed paths; a pad name or vN(x,y) marks a point on that pad's centre or on a via; arc(x,y) is an arc through that point)
Board_0-/VDD: length 56.5
  Bottom w0.25: 10.54,74.43 BT1#3.1 11.37,76.74 ; R1#3.2 R2#4.2 25.07,86.99 27.62,84.44 29.37,84.44 35.19,78.63 35.19,76.74 35.18,76.74 BT1#3.1 35.18,70.81 30.52,66.15 20.99,66.15 17.28,62.45 11.73,62.45 10.54,63.64
Board_1-/VDD: length 56.5
  Bottom w0.25: R1#5.2 R2#2.2 58.01,86.99 60.55,84.44 62.31,84.44 68.12,78.63 68.12,76.74 68.12,76.74 BT1#2.1 68.12,70.81 63.46,66.15 53.92,66.15 50.22,62.45 44.67,62.45 43.48,63.64 ; 43.48,74.43 BT1#2.1 44.31,76.74
Board_2-/VDD: length 56.5
  Bottom w0.25: R1.2 R2.2 90.94,86.99 93.49,84.44 95.24,84.44 101.06,78.63 101.06,76.74 101.06,76.74 BT1#6.1 101.06,70.81 96.4,66.15 86.86,66.15 83.16,62.45 77.6,62.45 76.42,63.64 ; 76.42,74.43 BT1#6.1 77.25,76.74
Board_3-/VDD: length 56.5
  Bottom w0.25: 10.54,24.03 BT1.1 11.37,26.34 ; 10.54,13.23 11.73,12.05 17.28,12.05 20.99,15.75 30.52,15.75 35.18,20.41 BT1.1 35.18,26.34 35.19,26.34 35.19,28.22 29.37,34.04 27.62,34.04 25.07,36.58 R2#6.2 R1#4.2
Board_4-/VDD: length 56.5
  Bottom w0.25: 43.48,13.23 44.67,12.05 50.22,12.05 53.92,15.75 63.46,15.75 68.12,20.41 BT1#4.1 68.12,26.34 68.12,26.34 68.12,28.22 62.31,34.04 60.55,34.04 58.01,36.58 R2#3.2 R1#2.2 ; 43.48,24.03 BT1#4.1 44.31,26.34
Board_5-/VDD: length 56.5
  Bottom w0.25: 76.42,24.03 BT1#5.1 77.25,26.34 ; 76.42,13.23 77.6,12.05 83.16,12.05 86.86,15.75 96.4,15.75 101.06,20.41 BT1#5.1 101.06,26.34 101.06,26.34 101.06,28.22 95.24,34.04 93.49,34.04 90.94,36.58 R2#5.2 R1#6.2
Board_0-Net-(D1-A): length 15.7
  Bottom w0.25: R1#3.1 20.52,89.99 19.64,90.87 D1#6.2 17.89,92.87 17.18,93.59 17.18,98.47 D2#2.2
Board_0-Net-(D3-A): length 14.7
  Bottom w0.25: 28.74,98.25 25.07,94.58 25.07,90.19 27.69,87.57 29.15,87.57
Board_1-Net-(D1-A): length 15.7
  Bottom w0.25: D2#4.2 50.11,98.47 50.11,93.59 50.83,92.87 D1#2.2 52.58,90.87 53.46,89.99 R1#5.1
Board_1-Net-(D3-A): length 14.7
  Bottom w0.25: 62.08,87.57 60.63,87.57 58.01,90.19 58.01,94.58 61.68,98.25
Board_2-Net-(D1-A): length 15.7
  Bottom w0.25: D2#3.2 83.05,98.47 83.05,93.59 83.76,92.87 D1#4.2 85.51,90.87 86.4,89.99 R1.1
Board_2-Net-(D3-A): length 14.7
  Bottom w0.25: 95.02,87.57 93.56,87.57 90.94,90.19 90.94,94.58 94.61,98.25
Board_3-Net-(D1-A): length 15.7
  Bottom w0.25: D2#6.2 17.18,48.06 17.18,43.18 17.89,42.47 D1#3.2 19.64,40.46 20.52,39.58 R1#4.1
Board_3-Net-(D3-A): length 14.7
  Bottom w0.25: 28.74,47.85 25.07,44.18 25.07,39.78 27.69,37.16 29.15,37.16
Board_4-Net-(D1-A): length 15.7
  Bottom w0.25: D2.2 50.11,48.06 50.11,43.18 50.83,42.47 D1#5.2 52.58,40.46 53.46,39.58 R1#2.1
Board_4-Net-(D3-A): length 14.7
  Bottom w0.25: 62.08,37.16 60.63,37.16 58.01,39.78 58.01,44.18 61.68,47.85
Board_5-Net-(D1-A): length 15.7
  Bottom w0.25: D2#5.2 83.05,48.06 83.05,43.18 83.76,42.47 D1.2 85.51,40.46 86.4,39.58 R1#6.1
Board_5-Net-(D3-A): length 14.7
  Bottom w0.25: 95.02,37.16 93.56,37.16 90.94,39.78 90.94,44.18 94.61,47.85

## Copper pours and planes (outline as drawn; the poured copper is in the pictures)
Board_0-GND on Bottom: outline of 865 points within 7.17,57.71 39.76,105.71
Board_1-GND on Bottom: outline of 865 points within 40.1,57.71 72.69,105.71
Board_2-GND on Bottom: outline of 865 points within 73.04,57.71 105.63,105.71
Board_3-GND on Bottom: outline of 866 points within 7.17,7.31 39.76,55.31
Board_4-GND on Bottom: outline of 865 points within 40.1,7.31 72.69,55.31
Board_5-GND on Bottom: outline of 865 points within 73.04,7.31 105.63,55.31

## Text on the board
Margin: PREVIEW ONLY. PANEL SAVED IN D:\projects\SAO_keanu-homeboy\keanu-homeboy-panel.kicad_pcb
